# KiCad board corevus-g.kicad_pcb (continued)
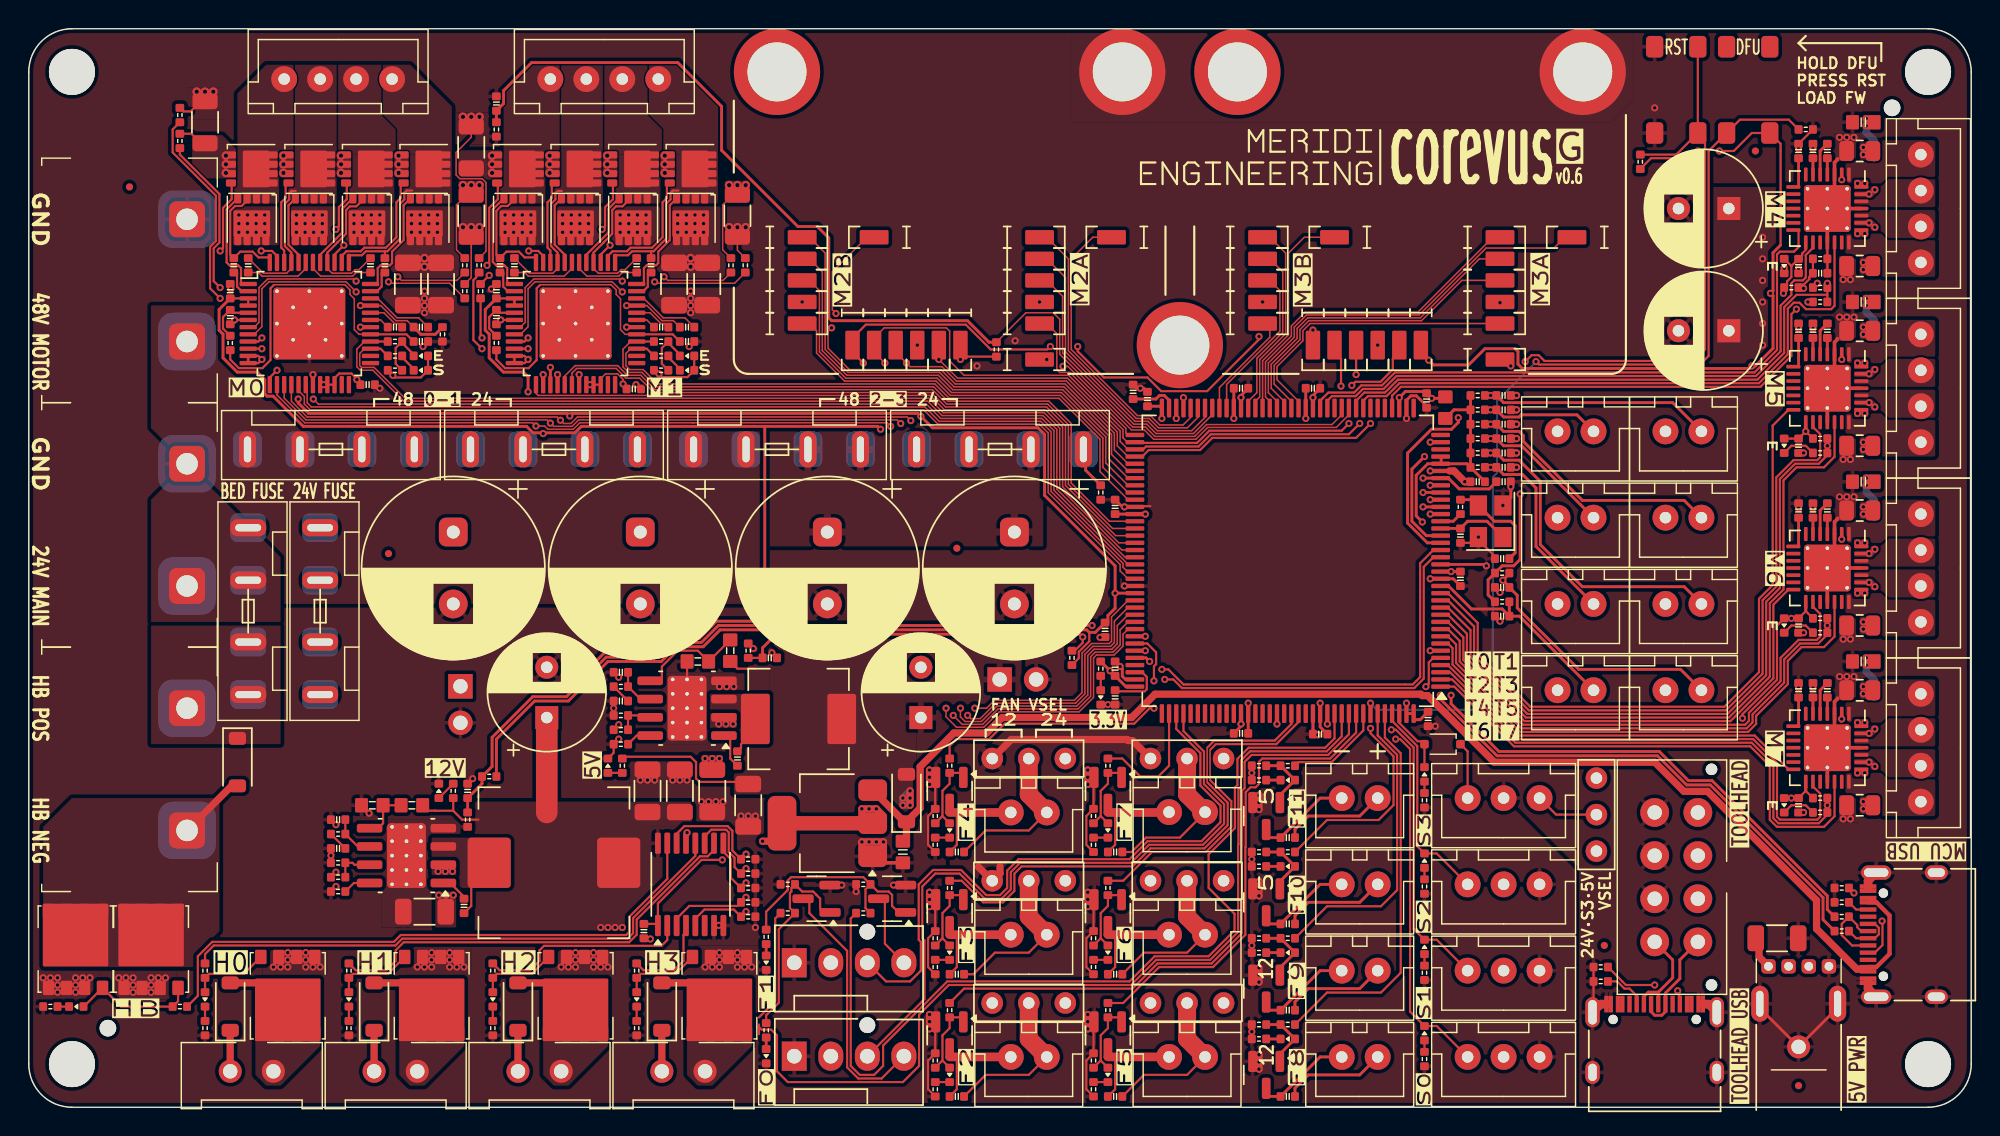
[diagram p0: board, top side]
## Library data of the parts
C1-C11 C15 C38-C86 C88-C99 C102 C105 C107 = -: ki_fp_filters: C_*
C12 C106 C108 C109 = -: ki_fp_filters: CP_*
C13 C14 C16 C17 = -: Field4: C310848; ki_fp_filters: CP_*
C18-C20 C23-C25 C28-C30 C33-C35 = -: LCSC: C1525; ki_fp_filters: C_*
C21 C26 C31 C36 = -: LCSC: C1532; ki_fp_filters: C_*
C22 C27 C32 C37 = -: LCSC: C15849; ki_fp_filters: C_*
C101 = -: LCSC: C19702; ki_fp_filters: C_*
D1-D13 D15-D27 D30-D35 = -: ki_fp_filters: LED* LED_SMD:* LED_THT:*
D14 D28 D29 D36 D38-D40 = -: Sim.Device: D; Sim.Pins: 1=K 2=A; ki_fp_filters: TO-???* *_Diode_* *SingleDiode* D_*
F1-F6 = -: ki_fp_filters: *Fuse*
FB1 = -: ki_fp_filters: Inductor_* L_* *Ferrite*
FID1-FID6 = -: ki_fp_filters: Fiducial*
H1-H4 H9 H10 H13 = -: ki_fp_filters: MountingHole*
H5-H8 = -: ki_fp_filters: MountingHole*Pad*
J1 J13 = -: Datasheet: https://www.usb.org/sites/default/files/documents/usb_type-c.zip; ki_fp_filters: USB*C*Receptacle*
J2 J4-J12 J14-J27 J30-J34 J37-J42 = -: ki_fp_filters: Connector*:*_1x??_*
J3 J35 J36 = -: ki_fp_filters: TerminalBlock*:*
J28 = -: ki_fp_filters: Connector*:*_2x??_*
J29 = -: ki_fp_filters: USB*
J43 J44 = -: Description: Generic connector, single row, 01x02, script generated; ki_fp_filters: Connector*:*_1x??_*
L1 L2 = -: ki_fp_filters: Choke_* *Coil* Inductor_* L_*
M1-M6 = -: Datasheet: http://www.infineon.com/dgdl/Application-Note-TLE8110EE_driving_UniPolarStepperMotor_V1.1.pdf?fileId=db3a30431be39b97011be5d0aa0a00b0; ki_fp_filters: PinHeader*P2.54mm*Vertical* TerminalBlock* Motor*
NT1 NT3-NT6 = -: ki_fp_filters: Net*Tie*
R1-R19 R22-R25 R28 R29 R31-R99 R101 R102 R104 R106-R129 = -: ki_fp_filters: R_*
R20 R21 R26 R27 R30 R100 R103 R105 = -: LCSC: C382279; ki_fp_filters: R_*
T1-T38 = -: ki_fp_filters: Pin* Test*
TH1-TH4 = -: ki_fp_filters: *NTC* *Thermistor* PIN?ARRAY* bornier* *Terminal?Block* R_*
U1 = -: Datasheet: https://www.st.com/resource/en/datasheet/stm32f407ze.pdf; ki_fp_filters: LQFP*20x20mm*P0.5mm*
U2 = -: Datasheet: http://www.ti.com/lit/ds/symlink/cd4504b.pdf; ki_fp_filters: DIP*W7.62mm* SOIC*3.9x9.9mm*P1.27mm* TSSOP*4.4x5mm*P0.65mm*
U3 U4 = -: Datasheet: https://www.ti.com/lit/ds/symlink/tps54335a.pdf; Description: 4.5-V to 28-V Input, 3-A Output, Synchronous Step-Down DC-DC Converter
U5 = -: Datasheet: http://www.advanced-monolithic.com/pdf/ds1117.pdf; ki_fp_filters: SOT?223*TabPin2*
U11 U12 = -: Datasheet: https://www.trinamic.com/fileadmin/assets/Products/ICs_Documents/TMC2160A-datasheet_Rev1.06.pdf; ki_fp_filters: TQFP*1EP?7x7mm*P0.5mm*
Y1 = -: ki_fp_filters: Crystal*

## Footprints (pads in the part's own frame, mm; a bottom-side part is the same pattern mirrored in y, then rotated)
0402C
  rrect 0.55x0.6 smd: 1(-0.5,0) 2(0.5,0)
0402LED
  rrect 0.55x0.6 smd: 1(-0.5,0) 2(0.5,0)
0402R
  rrect 0.55x0.6 smd: 1(-0.5,0) 2(0.5,0)
0603
  rrect 0.9x1 smd: 1(-0.75,0) 2(0.75,0)
0603C
  rrect 0.9x1 smd: 1(-0.75,0) 2(0.75,0)
0603R
  rrect 0.9x1 smd: 1(-0.75,0) 2(0.75,0)
BZCN_TSC015
  rrect 1.5x1.2 smd: 1(-3,1.5) 1(3,1.5) 2(-3,-1.5) 2(3,-1.5)
C_1206_3216Metric
  rrect 1.15x1.8 smd: 1(-1.475,0) 2(1.475,0)
CP_Radial_D8.0mm_P3.50mm
  rect 1.6x1.6 hole 0.8: 1(0,0)
  round 1.6 hole 0.8: 2(3.5,0)
CP_Radial_D12.5mm_P5.00mm
  rrect 2x2 hole 0.9: 1(0,2.5)
  round 2 hole 0.9: 2(0,-2.5)
Crystal_SMD_3225-4Pin_3.2x2.5mm
  rect 1.4x1.2 smd: 1(-1.1,-0.85) 2(1.1,-0.85) 3(1.1,0.85) 4(-1.1,0.85)
D_SOD-123
  rrect 0.9x1.2 smd: 1(-1.65,0) 2(1.65,0)
D_SOD-323
  rrect 0.6x0.6 smd: 1(-1.25,0) 2(1.25,0)
FanPinHeader_1x04_P2.54mm_Vertical
  round 1.1 hole 1.1 unplated: (5.08,2.16)
  rect 1.73x2.03 hole 1.02: 1(0,0)
  oval 1.73x2.03 hole 1.02: 2(2.54,0) 3(5.08,0) 4(7.62,0)
Fiducial_0.5mm_Mask1mm
  round 0.5 smd: (0,0)
HCTL_HC-MX3.0-2A
  round 1.6 hole 1: 1(1.5,0) 2(-1.5,0)
Jing_USB-A_906-761
  rrect 1x1 hole 0.6: 1(-2.1,2.8) 2(-0.7,2.8) 3(0.7,2.8) 4(2.1,2.8)
  oval 1.2x2.5 hole 0.5x1.8: 5(-2.7,0.2) 5(2.7,0.2)
  oval 1.6x1.6 hole 1: 5(-0.01,-2.8)
JST_XH_1x02
  oval 1.8x1.8 hole 0.8: 1(-1.25,0) 2(1.25,0)
JST_XH_1x03
  oval 1.8x1.8 hole 0.8: 1(-2.5,0) 2(0,0) 3(2.5,0)
JST_XH_1x04
  oval 1.8x1.8 hole 0.8: 1(-3.75,0) 2(-1.25,0) 3(1.25,0) 4(3.75,0)
Kefa_KF8500-8.5-2P
  rrect 2.5x2.5 hole 1.5: 1(-4.25,0) 2(4.25,0)
  rrect 4x4 smd far side: 1(-4.25,0) 2(4.25,0)
L_Changjiang_FXL0640
  rrect 2x3.5 smd: 1(-3,0) 2(3,0)
L_Changjiang_FXL1040
  rrect 3x3.5 smd: 1(-4.5,0) 2(4.5,0)
LGA_Spring
  rrect 1x2 smd: 1(0,-0.5)
LQFP-144_20x20mm_P0.5mm
  rrect 1.3x0.3 smd: 1(-10.625,8.75) 2(-10.625,8.25) 3(-10.625,7.75) 4(-10.625,7.25) 5(-10.625,6.75) 6(-10.625,6.25) 7(-10.625,5.75) 8(-10.625,5.25) 9(-10.625,4.75) 10(-10.625,4.25) 11(-10.625,3.75) 12(-10.625,3.25) 13(-10.625,2.75) 14(-10.625,2.25) 15(-10.625,1.75) 16(-10.625,1.25) 17(-10.625,0.75) 18(-10.625,0.25) 19(-10.625,-0.25) 20(-10.625,-0.75) 21(-10.625,-1.25) 22(-10.625,-1.75) 23(-10.625,-2.25) 24(-10.625,-2.75) 25(-10.625,-3.25) 26(-10.625,-3.75) 27(-10.625,-4.25) 28(-10.625,-4.75) 29(-10.625,-5.25) 30(-10.625,-5.75) 31(-10.625,-6.25) 32(-10.625,-6.75) 33(-10.625,-7.25) 34(-10.625,-7.75) 35(-10.625,-8.25) 36(-10.625,-8.75) 73(10.625,-8.75) 74(10.625,-8.25) 75(10.625,-7.75) 76(10.625,-7.25) 77(10.625,-6.75) 78(10.625,-6.25) 79(10.625,-5.75) 80(10.625,-5.25) 81(10.625,-4.75) 82(10.625,-4.25) 83(10.625,-3.75) 84(10.625,-3.25) 85(10.625,-2.75) 86(10.625,-2.25) 87(10.625,-1.75) 88(10.625,-1.25) 89(10.625,-0.75) 90(10.625,-0.25) 91(10.625,0.25) 92(10.625,0.75) 93(10.625,1.25) 94(10.625,1.75) 95(10.625,2.25) 96(10.625,2.75) 97(10.625,3.25) 98(10.625,3.75) 99(10.625,4.25) 100(10.625,4.75) 101(10.625,5.25) 102(10.625,5.75) 103(10.625,6.25) 104(10.625,6.75) 105(10.625,7.25) 106(10.625,7.75) 107(10.625,8.25) 108(10.625,8.75)
  rrect 0.3x1.3 smd: 37(-8.75,-10.625) 38(-8.25,-10.625) 39(-7.75,-10.625) 40(-7.25,-10.625) 41(-6.75,-10.625) 42(-6.25,-10.625) 43(-5.75,-10.625) 44(-5.25,-10.625) 45(-4.75,-10.625) 46(-4.25,-10.625) 47(-3.75,-10.625) 48(-3.25,-10.625) 49(-2.75,-10.625) 50(-2.25,-10.625) 51(-1.75,-10.625) 52(-1.25,-10.625) 53(-0.75,-10.625) 54(-0.25,-10.625) 55(0.25,-10.625) 56(0.75,-10.625) 57(1.25,-10.625) 58(1.75,-10.625) 59(2.25,-10.625) 60(2.75,-10.625) 61(3.25,-10.625) 62(3.75,-10.625) 63(4.25,-10.625) 64(4.75,-10.625) 65(5.25,-10.625) 66(5.75,-10.625) 67(6.25,-10.625) 68(6.75,-10.625) 69(7.25,-10.625) 70(7.75,-10.625) 71(8.25,-10.625) 72(8.75,-10.625) 109(8.75,10.625) 110(8.25,10.625) 111(7.75,10.625) 112(7.25,10.625) 113(6.75,10.625) 114(6.25,10.625) 115(5.75,10.625) 116(5.25,10.625) 117(4.75,10.625) 118(4.25,10.625) 119(3.75,10.625) 120(3.25,10.625) 121(2.75,10.625) 122(2.25,10.625) 123(1.75,10.625) 124(1.25,10.625) 125(0.75,10.625) 126(0.25,10.625) 127(-0.25,10.625) 128(-0.75,10.625) 129(-1.25,10.625) 130(-1.75,10.625) 131(-2.25,10.625) 132(-2.75,10.625) 133(-3.25,10.625) 134(-3.75,10.625) 135(-4.25,10.625) 136(-4.75,10.625) 137(-5.25,10.625) 138(-5.75,10.625) 139(-6.25,10.625) 140(-6.75,10.625) 141(-7.25,10.625) 142(-7.75,10.625) 143(-8.25,10.625) 144(-8.75,10.625)
M3_M2.5_PCB_Nut
  round 4.6 hole 4.1: 1(0,0)
  round 6 smd: 1(0,0)
Molex_Micro-Fit-3.0_430450813
  round 1.2 hole 0.8 unplated: (-7.5,2.45) (7.5,2.45)
  round 2 hole 1: 1(4.5,-1.5) 2(1.5,-1.5) 3(-1.5,-1.5) 4(-4.5,-1.5) 5(4.5,1.5) 6(1.5,1.5) 7(-1.5,1.5) 8(-4.5,1.5)
MOSFET_DFN8
  rrect 0.5x0.7 smd: 1(-0.975,-1.45) 2(-0.325,-1.45) 3(0.325,-1.45) 4(0.975,-1.45) 5(0.975,1.45) 6(0.325,1.45) 7(-0.325,1.45) 8(-0.975,1.45)
  rrect 2.55x1.85 smd: 8(0,0.3)
MOSFET_DFN8_5x6
  rrect 0.8x1 smd: 1(-1.875,-2.7) 2(-0.625,-2.7) 3(0.625,-2.7) 4(1.875,-2.7) 5(1.875,2.65) 6(0.625,2.65) 7(-0.625,2.65) 8(-1.875,2.65)
  rrect 4.55x4.35 smd: 8(0,0.975)
MountingHole_3.2mm_M3_DIN965
  round 3.2 hole 3.2 unplated: (0,0)
NetTie-2_SMD_Pad0.1mm
  round 0.1 smd: 1(-0.1,0) 2(0.1,0)
PinHeader_1x02_P2.54mm_Vertical
  rect 1.7x1.7 hole 1: 1(0,0)
  oval 1.7x1.7 hole 1: 2(0,-2.54)
PinHeader_1x03_P2.54mm_Vertical
  round 1.5 hole 0.8: 1(0,0) 2(0,-2.54) 3(0,-5.08)
R_0805_2012Metric
  rrect 1.025x1.4 smd: 1(-0.912,0) 2(0.912,0)
R_1206_3216Metric
  rrect 1.125x1.75 smd: 1(-1.462,0) 2(1.462,0)
SOIC-8-1EP_3.9x4.9mm_P1.27mm_EP2.95x4.9mm_Mask2.71x3.4mm_ThermalVias
  rrect 1.13x1.42 smd: (-0.68,0.85) (-0.68,-0.85) (0.68,0.85) (0.68,-0.85)
  rrect 2.7x3.4 smd: (0,0)
  rrect 1.775x0.6 smd: 1(-2.563,1.905) 2(-2.562,0.635) 3(-2.562,-0.635) 4(-2.563,-1.905) 5(2.563,-1.905) 6(2.562,-0.635) 7(2.562,0.635) 8(2.563,1.905)
  round 0.5 hole 0.25: 9(-1,2) 9(-1,1) 9(-1,0) 9(-1,-1) 9(-1,-2) 9(0,2) 9(0,1) 9(0,0) 9(0,-1) 9(0,-2) 9(1,2) 9(1,1) 9(1,0) 9(1,-1) 9(1,-2)
  rrect 2.7x4.5 smd: 9(0,0)
SOT-23
  rrect 1.475x0.6 smd: 1(-0.938,0.95) 2(-0.938,-0.95) 3(0.938,0)
SOT-223-3_TabPin2
  rrect 2x1.5 smd: 1(-3.15,2.3) 2(-3.15,0) 3(-3.15,-2.3)
  rrect 2x3.8 smd: 2(3.15,0)
TMC220x
  rrect 1.41x1.41 smd: (-0.81,0.81) (-0.81,-0.81) (0.81,0.81) (0.81,-0.81)
  rrect 0.975x0.25 smd: 1(-2.362,1.5) 2(-2.362,1) 3(-2.362,0.5) 4(-2.362,0) 5(-2.362,-0.5) 6(-2.362,-1) 7(-2.362,-1.5) 15(2.362,-1.5) 16(2.362,-1) 17(2.362,-0.5) 18(2.362,0) 19(2.362,0.5) 20(2.362,1) 21(2.362,1.5)
  rrect 0.25x0.975 smd: 8(-1.5,-2.362) 9(-1,-2.362) 10(-0.5,-2.362) 11(0,-2.362) 12(0.5,-2.362) 13(1,-2.362) 14(1.5,-2.362) 22(1.5,2.362) 23(1,2.362) 24(0.5,2.362) 25(0,2.362) 26(-0.5,2.362) 27(-1,2.362) 28(-1.5,2.362)
  round 0.5 hole 0.25: 29(-1.375,1.375) 29(-1.375,0) 29(-1.375,-1.375) 29(0,1.375) 29(0,0) 29(0,-1.375) 29(1.375,1.375) 29(1.375,0) 29(1.375,-1.375)
  rrect 3.25x3.25 smd: 29(0,0)
TMCx160
  custom 1.008x1.008 smd: (-1.688,1.688) (-1.688,0.562) (-1.688,-0.562) (-1.688,-1.688) (-0.562,1.688) (-0.562,0.562) (-0.562,-0.562) (-0.562,-1.688) (0.562,1.688) (0.562,0.562) (0.562,-0.562) (0.562,-1.688) (1.688,1.688) (1.688,0.562) (1.688,-0.562) (1.688,-1.688)
  rrect 1.2x0.3 smd: 1(-4.25,2.75) 2(-4.25,2.25) 3(-4.25,1.75) 4(-4.25,1.25) 5(-4.25,0.75) 6(-4.25,0.25) 7(-4.25,-0.25) 8(-4.25,-0.75) 9(-4.25,-1.25) 10(-4.25,-1.75) 11(-4.25,-2.25) 12(-4.25,-2.75) 25(4.25,-2.75) 26(4.25,-2.25) 27(4.25,-1.75) 28(4.25,-1.25) 29(4.25,-0.75) 30(4.25,-0.25) 31(4.25,0.25) 32(4.25,0.75) 33(4.25,1.25) 34(4.25,1.75) 35(4.25,2.25) 36(4.25,2.75)
  rrect 0.3x1.2 smd: 13(-2.75,-4.25) 14(-2.25,-4.25) 15(-1.75,-4.25) 16(-1.25,-4.25) 17(-0.75,-4.25) 18(-0.25,-4.25) 19(0.25,-4.25) 20(0.75,-4.25) 21(1.25,-4.25) 22(1.75,-4.25) 23(2.25,-4.25) 24(2.75,-4.25) 37(2.75,4.25) 38(2.25,4.25) 39(1.75,4.25) 40(1.25,4.25) 41(0.75,4.25) 42(0.25,4.25) 43(-0.25,4.25) 44(-0.75,4.25) 45(-1.25,4.25) 46(-1.75,4.25) 47(-2.25,4.25) 48(-2.75,4.25)
  round 0.5 hole 0.25: 49(-2.25,2.25) 49(-2.25,0) 49(-2.25,-2.25) 49(-1.125,1.125) 49(-1.125,-1.125) 49(0,2.25) 49(0,0) 49(0,-2.25) 49(1.125,1.125) 49(1.125,-1.125) 49(2.25,2.25) 49(2.25,0) 49(2.25,-2.25)
  rrect 5x5 smd: 49(0,0)
ToolingHole
  round 1.3 hole 1.152 unplated: (0,0)
TSSOP-16_4.4x5mm_P0.65mm
  rrect 1.475x0.4 smd: 1(-2.862,2.275) 2(-2.862,1.625) 3(-2.862,0.975) 4(-2.862,0.325) 5(-2.862,-0.325) 6(-2.862,-0.975) 7(-2.862,-1.625) 8(-2.862,-2.275) 9(2.862,-2.275) 10(2.862,-1.625) 11(2.862,-0.975) 12(2.862,-0.325) 13(2.862,0.325) 14(2.862,0.975) 15(2.862,1.625) 16(2.862,2.275)
USB_Type-C_16p
  round 0.65 hole 0.65 unplated: (-2.89,2.605) (2.89,2.605)
  rect 0.3x1.15 smd: A1(-3.35,3.67) A4(-2.55,3.67) A5(-1.25,3.67) A6(-0.25,3.67) A7(0.25,3.67) A8(1.25,3.67) A9(2.55,3.67) A12(3.35,3.67) B1(3.05,3.67) B4(2.25,3.67) B5(1.75,3.67) B6(0.75,3.67) B7(-0.75,3.67) B8(-1.75,3.67) B9(-2.25,3.67) B12(-3.05,3.67)
  oval 1x2.1 hole 0.6x1.7: S1(-4.32,3.105) S1(4.32,3.105)
  oval 1x1.6 hole 0.6x1.2: S1(-4.32,-1.075) S1(4.32,-1.075)
XF-506P
  rrect 1.2x2.5 hole 0.5x1.8: 1(-5.8,0) 1(-2.15,0) 2(2.15,0) 2(5.8,0)
  rrect 2x2.5 smd far side: 1(-5.8,0) 1(-2.15,0) 2(2.15,0) 2(5.8,0)

## Nets
+3.3V: C5.2 C15.1 C18.1 C23.1 C28.1 C33.1 C41.2 C44.1 C46.1 C53.1 C56.2 C59.1 C61.1 C79.1 C81.1 C82.1 C83.1 C84.1 C102.1 D4.2 D13.2 D19.2 D20.2 D21.2 D22.2 D23.2 D24.2 FB1.1 R19.1 R23.1 R28.1 R87.2 R88.2 R89.2 R97.1 R101.1 R106.1 R107.1 R108.2 R114.2 SW1.2 T6.1 T22.1 U1.6 U1.17 U1.30 U1.39 U1.52 U1.62 U1.72 U1.84 U1.95 U1.101 U1.108 U1.121 U1.131 U1.143 U1.144 U2.1 U5.2 U6.15 U7.15 U8.15 U9.15 U11.20 U11.21 U11.22 U12.20 U12.21 U12.22
+5V: C86.1 C92.2 C93.2 C105.1 C106.1 D29.2 J21.2 J22.2 J24.3 J25.3 J26.3 J29.1 J38.3 J44.1 L2.2 R83.2 R84.2 R85.2 R86.2 R90.2 R129.2
+12V: C45.2 C60.2 C90.2 C91.2 C95.1 C107.1 C108.1 J6.2 J14.2 J16.2 J17.2 J18.1 J19.1 J20.1 J28.6 J31.1 J41.1 J42.1 J43.1 L1.2 R92.2 R128.2 T1.1 T17.1 U2.16 U11.3 U11.4 U12.3 U12.4
+24V: C12.1 C20.2 C22.2 C25.2 C27.2 C30.2 C32.2 C35.2 C37.2 C94.1 C96.1 C109.1 D36.1 D38.1 D39.1 D40.1 F6.2 J18.3 J19.3 J20.3 J28.7 J28.8 J30.2 J31.3 J32.2 J33.2 J34.2 J38.1 J41.3 J42.3 R94.1 R110.1 U3.2 U4.2 U6.22 U6.28 U7.22 U7.28 U8.22 U8.28 U9.22 U9.28
GND: C1.1 C2.1 C3.1 C4.2 C5.1 C12.2 C13.2 C14.2 C15.2 C16.2 C17.2 C18.2 C19.1 C22.1 C23.2 C24.1 C27.1 C28.2 C29.1 C32.1 C33.2 C34.1 C37.1 C41.1 C42.1 C43.1 C44.2 C45.1 C46.2 C51.2 C52.2 C53.2 C56.1 C57.1 C58.1 C59.2 C60.1 C61.2 C66.2 C67.2 C68.1 C69.1 C70.1 C71.1 C79.2 C81.2 C82.2 C83.2 C84.2 C86.2 C88.2 C94.2 C95.2 C96.2 C97.2 C98.2 C99.2 C101.2 C102.2 C105.2 C106.2 C107.2 C108.2 C109.2 D6.1 D8.1 D17.1 D30.1 D32.1 H6.1 H8.1 J1.A1 J1.A12 J1.B1 J1.B12 J1.S1 J3.1 J6.1 J13.A1 J13.A12 J13.B1 J13.B12 J13.S1 J14.1 J24.2 J25.2 J26.2 J27.2 J28.2 J28.3 J28.4 J29.4 J29.5 J35.1 J43.2 J44.2 NT1.1 NT3.2 NT4.1 NT5.2 NT6.1 Q1.2 Q2.2 Q19.2 Q20.2 Q21.2 Q22.2 Q23.2 Q24.2 Q25.1 Q25.2 Q25.3 Q26.1 Q26.2 Q26.3 Q27.2 Q28.2 Q29.2 Q30.2 Q31.1 Q31.2 Q31.3 Q33.1 Q33.2 Q33.3 Q34.1 Q34.2 Q34.3 Q35.1 Q35.2 Q35.3 R1.2 R6.1 R7.1 R8.2 R9.2 R10.2 R11.2 R13.2 R14.2 R20.2 R21.2 R25.2 R26.2 R27.2 R30.2 R35.2 R36.2 R43.2 R44.2 R49.2 R50.2 R52.2 R53.2 R54.2 R55.2 R57.2 R64.2 R65.2 R66.2 R67.2 R70.1 R71.2 R72.2 R73.2 R77.2 R78.2 R79.2 R80.2 R81.2 R82.2 R91.1 R93.1 R95.2 R96.2 R100.2 R103.2 R105.2 R109.2 R111.2 R113.2 R115.2 R116.2 R117.2 R121.2 R125.2 R126.2 R127.2 SW3.1 T3.1 T9.1 T15.1 T19.1 T25.1 T31.1 TH1.2 TH2.2 TH3.2 TH4.2 U1.16 U1.38 U1.51 U1.61 U1.83 U1.94 U1.107 U1.120 U1.130 U2.7 U2.8 U2.13 U3.4 U3.9 U4.4 U4.9 U5.1 U6.3 U6.18 U6.25 U6.29 U7.3 U7.18 U7.25 U7.29 U8.3 U8.18 U8.25 U8.29 U9.3 U9.18 U9.25 U9.29 U11.6 U11.11 U11.12 U11.19 U11.30 U11.49 U12.6 U12.11 U12.12 U12.19 U12.30 U12.49 Y1.2 Y1.4
VDDA: C85.1 FB1.2 R2.2 R12.2 R15.2 R16.2 R17.2 R18.2 R51.2 R56.2 U1.32 U1.33
VSSA: C6.1 C7.1 C8.1 C9.1 C72.1 C73.1 C77.1 C78.1 C85.2 J7.1 J8.1 J9.1 J10.1 J11.1 J12.1 J23.1 J39.1 NT1.2 U1.31
/_{5V}Therm: C71.2 R114.1 TH4.1 U1.19
/_{12V}Therm: C68.2 R87.1 TH1.1 U1.20
/_{M0}CS: U1.91 U12.13
/_{M0}Diag1: R119.2 U1.89 U12.27
/_{M0}Dir: U1.92 U12.18
/_{M0}En: R99.2 U1.90 U12.28
/_{M0}Step: U1.93 U12.17
/_{M1}CS: U1.88 U11.13
/_{M1}Diag1: R118.2 U1.82 U11.27
/_{M1}Dir: U1.87 U11.18
/_{M1}En: R98.2 U1.85 U11.28
/_{M1}Step: U1.86 U11.17
/_{M1}Therm: C69.2 R88.1 TH2.1 U1.47
/_{M2A}CS: T12.1 U1.67
/_{M2A}Diag: T13.1 U1.68
/_{M2A}Dir: T10.1 U1.65
/_{M2A}En: T11.1 U1.66
/_{M2A}Step: T8.1 U1.73
/_{M2B}CS: T34.1 U1.78
/_{M2B}Diag: T35.1 U1.77
/_{M2B}Dir: T16.1 U1.80
/_{M2B}En: T33.1 U1.79
/_{M2B}Step: T14.1 U1.81
/_{M2}Therm: T7.1 U1.46
/_{M3A}CS: T28.1 U1.57
/_{M3A}Diag: T29.1 U1.56
/_{M3A}Dir: T26.1 U1.54
/_{M3A}En: T27.1 U1.55
/_{M3A}Step: T24.1 U1.53
/_{M3B}CS: T37.1 U1.59
/_{M3B}Diag: T38.1 U1.58
/_{M3B}Dir: T32.1 U1.63
/_{M3B}En: T36.1 U1.60
/_{M3B}Step: T30.1 U1.64
/_{M3}Therm: T23.1 U1.21
/_{M4}Dir: U1.44 U6.19
/_{M4}En: R22.2 R97.2 U1.45 U6.2
/_{M4}Step: U1.49 U6.16
/_{M4}Therm: C70.2 R89.1 TH3.1 U1.40
/_{M4}UART: U1.50 U6.14
/_{M5}Dir: U1.11 U7.19
/_{M5}En: R23.2 R24.2 U1.12 U7.2
/_{M5}Step: U1.13 U7.16
/_{M5}UART: U1.14 U7.14
/_{M6}Dir: U1.7 U8.19
/_{M6}En: R28.2 R29.2 U1.8 U8.2
/_{M6}Step: U1.9 U8.16
/_{M6}UART: U1.10 U8.14
/_{M7}Dir: U1.1 U9.19
/_{M7}En: R101.2 R102.2 U1.2 U9.2
/_{M7}Step: U1.3 U9.16
/_{M7}UART: U1.4 U9.14
/Bed_H+: D14.1 F3.2 J36.1
/Bed_H-: D14.2 J36.2 Q25.5 Q25.6 Q25.7 Q25.8 Q26.5 Q26.6 Q26.7 Q26.8
/BOOT0: R1.1 SW1.1 U1.138
/DFU_ON: U1.114
/F0: R48.1 U1.134
/F0_FG: J6.3 U1.112
/F1: R60.1 U1.133
/F1_FG: J14.3 U1.111
/F2_Gate: R31.1 U1.135
/F2_V+: C10.2 J2.2 J18.2
/F3_Gate: R39.1 U1.127
/F3_V+: C11.2 J4.2 J20.2
/F4_Gate: R59.1 U1.102
/F4_V+: C74.2 J19.2 J37.2
/F5_Gate: R47.1 U1.136
/F5_V+: C76.2 J5.2 J31.2
/F6_Gate: R61.1 U1.128
/F6_V+: C89.2 J15.2 J41.2
/F7_Gate: R76.1 U1.110
/F7_V+: C75.2 J40.2 J42.2
/F8_Gate: R62.1 U1.140
/F9_Gate: R63.1 U1.139
/F10_Gate: R74.1 U1.5
/F11_Gate: R75.1 U1.137
/H0: R14.1 U1.97 U2.11
/H0_Gate: R122.1 U2.12
/H1: R13.1 U1.98 U2.9
/H1_Gate: R120.1 U2.10
/H2: R10.1 U1.99 U2.3
/H2_Gate: R123.1 U2.2
/H3: R11.1 U1.100 U2.5
/H3_Gate: R124.1 U2.4
/HB: R25.1 U1.96 U2.14
/HB_Gate: R68.1 U2.15
/Motor 0 (TMC2160)/A1: C64.2 M6.2 Q13.1 Q13.2 Q13.3 Q17.5 Q17.6 Q17.7 Q17.8 U12.40
/Motor 0 (TMC2160)/A2: C65.2 M6.1 Q14.1 Q14.2 Q14.3 Q18.5 Q18.6 Q18.7 Q18.8 U12.37
/Motor 0 (TMC2160)/B1: C62.2 M6.4 Q11.1 Q11.2 Q11.3 Q15.5 Q15.6 Q15.7 Q15.8 U12.48
/Motor 0 (TMC2160)/B2: C63.2 M6.3 Q12.1 Q12.2 Q12.3 Q16.5 Q16.6 Q16.7 Q16.8 U12.45
/Motor 0 (TMC2160)/CFG4: U12.23
/Motor 0 (TMC2160)/CFG5: U12.24
/Motor 0 (TMC2160)/CFG6: U12.25
/Motor 0 (TMC2160)/Diag0: U12.26
/Motor 0 (TMC2160)/HA1: Q13.4 U12.41
/Motor 0 (TMC2160)/HA2: Q14.4 U12.36
/Motor 0 (TMC2160)/HB1: Q11.4 U12.1
/Motor 0 (TMC2160)/HB2: Q12.4 U12.44
/Motor 0 (TMC2160)/LA1: Q17.4 U12.39
/Motor 0 (TMC2160)/LA2: Q18.4 U12.38
/Motor 0 (TMC2160)/LB1: Q15.4 U12.47
/Motor 0 (TMC2160)/LB2: Q16.4 U12.46
/Motor 0 (TMC2160)/SRAH: R42.2 U12.8
/Motor 0 (TMC2160)/SRAL: R46.2 U12.7
/Motor 0 (TMC2160)/SRBH: R41.2 U12.9
/Motor 0 (TMC2160)/SRBL: R45.2 U12.10
/Motor 1 (TMC2160)/A1: C49.2 M5.2 Q5.1 Q5.2 Q5.3 Q9.5 Q9.6 Q9.7 Q9.8 U11.40
/Motor 1 (TMC2160)/A2: C50.2 M5.1 Q6.1 Q6.2 Q6.3 Q10.5 Q10.6 Q10.7 Q10.8 U11.37
/Motor 1 (TMC2160)/B1: C47.2 M5.4 Q3.1 Q3.2 Q3.3 Q7.5 Q7.6 Q7.7 Q7.8 U11.48
/Motor 1 (TMC2160)/B2: C48.2 M5.3 Q4.1 Q4.2 Q4.3 Q8.5 Q8.6 Q8.7 Q8.8 U11.45
/Motor 1 (TMC2160)/CFG4: U11.23
/Motor 1 (TMC2160)/CFG5: U11.24
/Motor 1 (TMC2160)/CFG6: U11.25
/Motor 1 (TMC2160)/Diag0: U11.26
/Motor 1 (TMC2160)/HA1: Q5.4 U11.41
/Motor 1 (TMC2160)/HA2: Q6.4 U11.36
/Motor 1 (TMC2160)/HB1: Q3.4 U11.1
/Motor 1 (TMC2160)/HB2: Q4.4 U11.44
/Motor 1 (TMC2160)/LA1: Q9.4 U11.39
/Motor 1 (TMC2160)/LA2: Q10.4 U11.38
/Motor 1 (TMC2160)/LB1: Q7.4 U11.47
/Motor 1 (TMC2160)/LB2: Q8.4 U11.46
/Motor 1 (TMC2160)/SRAH: R34.2 U11.8
/Motor 1 (TMC2160)/SRAL: R38.2 U11.7
/Motor 1 (TMC2160)/SRBH: R33.2 U11.9
/Motor 1 (TMC2160)/SRBL: R37.2 U11.10
/Motor 4 (TMC2209)/A1: M1.2 U6.24
/Motor 4 (TMC2209)/A2: M1.1 U6.21
/Motor 4 (TMC2209)/B1: M1.3 U6.26
/Motor 4 (TMC2209)/B2: M1.4 U6.1
/Motor 4 (TMC2209)/BRA: R20.1 U6.23
/Motor 4 (TMC2209)/BRB: R21.1 U6.27
/Motor 4 (TMC2209)/Clk: U6.13
/Motor 4 (TMC2209)/Diag: U6.11
/Motor 4 (TMC2209)/Index: U6.12
/Motor 4 (TMC2209)/MS1: U6.9
/Motor 4 (TMC2209)/MS2: U6.10
/Motor 4 (TMC2209)/VRef: U6.17
/Motor 5 (TMC2209)/A1: M2.2 U7.24
/Motor 5 (TMC2209)/A2: M2.1 U7.21
/Motor 5 (TMC2209)/B1: M2.3 U7.26
/Motor 5 (TMC2209)/B2: M2.4 U7.1
/Motor 5 (TMC2209)/BRA: R26.1 U7.23
/Motor 5 (TMC2209)/BRB: R27.1 U7.27
/Motor 5 (TMC2209)/Clk: U7.13
/Motor 5 (TMC2209)/Diag: U7.11
/Motor 5 (TMC2209)/Index: U7.12
/Motor 5 (TMC2209)/MS1: U7.9
/Motor 5 (TMC2209)/MS2: U7.10
/Motor 5 (TMC2209)/VRef: U7.17
/Motor 6 (TMC2209)/A1: M3.2 U8.24
/Motor 6 (TMC2209)/A2: M3.1 U8.21
/Motor 6 (TMC2209)/B1: M3.3 U8.26
/Motor 6 (TMC2209)/B2: M3.4 U8.1
/Motor 6 (TMC2209)/BRA: R30.1 U8.23
/Motor 6 (TMC2209)/BRB: R100.1 U8.27
/Motor 6 (TMC2209)/Clk: U8.13
/Motor 6 (TMC2209)/Diag: U8.11
/Motor 6 (TMC2209)/Index: U8.12
/Motor 6 (TMC2209)/MS1: U8.9
/Motor 6 (TMC2209)/MS2: U8.10
/Motor 6 (TMC2209)/VRef: U8.17
/Motor 7 (TMC2209)/A1: M4.2 U9.24
/Motor 7 (TMC2209)/A2: M4.1 U9.21
/Motor 7 (TMC2209)/B1: M4.3 U9.26
/Motor 7 (TMC2209)/B2: M4.4 U9.1
/Motor 7 (TMC2209)/BRA: R103.1 U9.23
/Motor 7 (TMC2209)/BRB: R105.1 U9.27
/Motor 7 (TMC2209)/Clk: U9.13
/Motor 7 (TMC2209)/Diag: U9.11
/Motor 7 (TMC2209)/Index: U9.12
/Motor 7 (TMC2209)/MS1: U9.9
/Motor 7 (TMC2209)/MS2: U9.10
/Motor 7 (TMC2209)/VRef: U9.17
/S0: D18.1 J24.1 U1.125
/S1: D25.1 J25.1 U1.132
/S2: D26.1 J26.1 U1.141
/S3: D27.1 D28.2 U1.142
/SPI1_MISO: U1.42
/SPI1_MOSI: U1.43
/SPI1_SCK: U1.41
/SPI2_MISO: T5.1 T21.1 U1.75 U11.16 U12.16
/SPI2_MOSI: T4.1 T20.1 U1.76 U11.15 U12.15
/SPI2_SCK: T2.1 T18.1 U1.74 U11.14 U12.14
/SWCLK: U1.109
/SWDIO: U1.105
/T0: C77.2 J11.2 R51.1 U1.22
/T1: C9.2 J10.2 R18.1 U1.35
/T2: C8.2 J9.2 R17.1 U1.28
/T3: C78.2 J12.2 R56.1 U1.29
/T4: C6.2 J8.2 R15.1 U1.26
/T5: C7.2 J7.2 R16.1 U1.27
/T6: C72.2 J23.2 R2.1 U1.15
/T7: C73.2 J39.2 R12.1 U1.18
/TH_USB_D+: J13.A6 J13.B6 J28.5
/TH_USB_D-: J13.A7 J13.B7 J28.1
/USART2_RX: U1.37
/USART2_TX: U1.36
/USB_D+: R5.1 U1.104
/USB_D-: R4.1 U1.103
/USB_VBUS: C101.1 D29.1 J1.A4 J1.A9 J1.B4 J1.B9 U5.3
/~{Reset}: R19.2 SW3.2 U1.25
VMB: C13.1 C14.1 C39.2 C51.1 C52.1 C54.2 C66.1 C67.1 F4.2 F5.2 Q3.5 Q3.6 Q3.7 Q3.8 Q4.5 Q4.6 Q4.7 Q4.8 Q5.5 Q5.6 Q5.7 Q5.8 Q6.5 Q6.6 Q6.7 Q6.8 Q11.5 Q11.6 Q11.7 Q11.8 Q12.5 Q12.6 Q12.7 Q12.8 Q13.5 Q13.6 Q13.7 Q13.8 Q14.5 Q14.6 Q14.7 Q14.8 R9.1 U11.33 U12.33
VMC: C16.1 C17.1 F1.2 F2.2 H5.1 H7.1 R8.1
Net-(C2-Pad2): C2.2 R3.1 Y1.3
Net-(C97-Pad1): C97.1 R104.2
Net-(C99-Pad1): C99.1 R112.2
Net-(D1-A): D1.2 Q27.1 R59.2 R79.1
Net-(D1-K): D1.1 R126.1
Net-(D2-A): D2.2 Q1.1 R31.2 R49.1
Net-(D2-K): D2.1 R54.1
Net-(D3-A): D3.2 Q2.1 R39.2 R50.1
Net-(D3-K): D3.1 R55.1
Net-(D4-K): D4.1 R118.1
Net-(D5-A): D5.2 Q19.1 R47.2 R52.1
Net-(D5-K): D5.1 R57.1
Net-(D6-A): D6.2 R58.1
Net-(D7-A): D7.2 Q30.1 R76.2 R82.1
Net-(D7-K): D7.1 R127.1
Net-(D8-A): D8.2 R69.2
Net-(D9-A): D9.2 Q22.1 R61.2 R65.1
Net-(D9-K): D9.1 R71.1
Net-(D10-A): D10.2 Q23.1 R62.2 R66.1
Net-(D10-K): D10.1 R72.1
Net-(D11-A): D11.2 Q24.1 R63.2 R67.1
Net-(D11-K): D11.1 R73.1
Net-(D12-A): D12.2 Q25.4 Q26.4 R68.2
Net-(D12-K): D12.1 R70.2
Net-(D13-K): D13.1 R119.1
Net-(D15-A): D15.2 Q28.1 R74.2 R77.1
Net-(D15-K): D15.1 R80.1
Net-(D16-A): D16.2 Q29.1 R75.2 R78.1
Net-(D16-K): D16.1 R81.1
Net-(D17-A): D17.2 R128.1
Net-(D18-A): D18.2 R84.1
Net-(D19-K): D19.1 R98.1 R106.2
Net-(D20-K): D20.1 R99.1 R107.2
Net-(D21-K): D21.1 R22.1
Net-(D22-K): D22.1 R24.1
Net-(D23-K): D23.1 R29.1
Net-(D24-K): D24.1 R102.1
Net-(D25-A): D25.2 R85.1
Net-(D26-A): D26.2 R86.1
Net-(D27-A): D27.2 R83.1
Net-(D28-K): D28.1 J27.1
Net-(D30-A): D30.2 R108.1
Net-(D31-A): D31.2 Q31.4 R120.2
Net-(D31-K): D31.1 R113.1
Net-(D32-A): D32.2 R129.1
Net-(D33-A): D33.2 Q33.4 R122.2
Net-(D33-K): D33.1 R115.1
Net-(D34-A): D34.2 Q34.4 R123.2
Net-(D34-K): D34.1 R116.1
Net-(D35-A): D35.2 Q35.4 R124.2
Net-(D35-K): D35.1 R117.1
Net-(D36-A): D36.2 J30.1 Q31.5 Q31.6 Q31.7 Q31.8
Net-(D38-A): D38.2 J32.1 Q33.5 Q33.6 Q33.7 Q33.8
Net-(D39-A): D39.2 J33.1 Q34.5 Q34.6 Q34.7 Q34.8
Net-(D40-A): D40.2 J34.1 Q35.5 Q35.6 Q35.7 Q35.8
Net-(J1-CC1): J1.A5 R6.2
Net-(J1-CC2): J1.B5 R7.2
Net-(J1-D+-PadA6): J1.A6 J1.B6 R5.2
Net-(J1-D--PadA7): J1.A7 J1.B7 R4.2
Net-(J2-Pin_1): C10.1 J2.1 Q1.3
Net-(J3-Pin_2): F1.1 F4.1 J3.2
Net-(J4-Pin_1): C11.1 J4.1 Q2.3
Net-(J5-Pin_1): C76.1 J5.1 Q19.3
Net-(J6-Pin_4): J6.4 Q20.3
Net-(J13-CC1): J13.A5 R121.1
Net-(J13-CC2): J13.B5 R125.1
Net-(J14-Pin_4): J14.4 Q21.3
Net-(J15-Pin_1): C89.1 J15.1 Q22.3
Net-(J16-Pin_1): C90.1 J16.1 Q23.3
Net-(J17-Pin_1): C91.1 J17.1 Q24.3
Net-(J21-Pin_1): C92.1 J21.1 Q28.3
Net-(J22-Pin_1): C93.1 J22.1 Q29.3
Net-(J27-Pin_3): J27.3 J38.2
Net-(J35-Pin_2): F2.1 F3.1 F5.1 F6.1 J35.2
Net-(J37-Pin_1): C74.1 J37.1 Q27.3
Net-(J40-Pin_1): C75.1 J40.1 Q30.3
Net-(NT3-Pad1): NT3.1 R37.1
Net-(NT4-Pad2): NT4.2 R38.1
Net-(NT5-Pad1): NT5.1 R45.1
Net-(NT6-Pad2): NT6.2 R46.1
Net-(Q7-S-Pad1): Q7.1 Q7.2 Q7.3 Q8.1 Q8.2 Q8.3 R33.1 R35.1
Net-(Q10-S-Pad1): Q9.1 Q9.2 Q9.3 Q10.1 Q10.2 Q10.3 R34.1 R36.1
Net-(Q15-S-Pad1): Q15.1 Q15.2 Q15.3 Q16.1 Q16.2 Q16.3 R41.1 R43.1
Net-(Q17-S-Pad1): Q17.1 Q17.2 Q17.3 Q18.1 Q18.2 Q18.3 R42.1 R44.1
Net-(Q20-G): Q20.1 R48.2 R53.1 R58.2
Net-(Q21-G): Q21.1 R60.2 R64.1 R69.1
Net-(U1-PH0): C1.2 U1.23 Y1.1
Net-(U1-PH1): R3.2 U1.24
Net-(U1-VCAP_1): C4.1 U1.71
Net-(U1-VCAP_2): C3.2 U1.106
Net-(U3-BOOT): C38.1 U3.1
Net-(U3-COMP): C88.1 R104.1 U3.6
Net-(U3-EN): R94.2 R95.1 U3.7
Net-(U3-PH): C38.2 L1.1 U3.3
Net-(U3-RT): R96.1 U3.8
Net-(U3-VSENSE): R92.1 R93.2 U3.5
Net-(U4-BOOT): C80.1 U4.1
Net-(U4-COMP): C98.1 R112.1 U4.6
Net-(U4-EN): R109.1 R110.2 U4.7
Net-(U4-PH): C80.2 L2.1 U4.3
Net-(U4-RT): R111.1 U4.8
Net-(U4-VSENSE): R90.1 R91.2 U4.5
Net-(U6-5VOUT): C19.2 U6.8
Net-(U6-CPI): C21.2 U6.5
Net-(U6-CPO): C21.1 U6.4
Net-(U6-VCP): C20.1 U6.6
Net-(U7-5VOUT): C24.2 U7.8
Net-(U7-CPI): C26.2 U7.5
Net-(U7-CPO): C26.1 U7.4
Net-(U7-VCP): C25.1 U7.6
Net-(U8-5VOUT): C29.2 U8.8
Net-(U8-CPI): C31.2 U8.5
Net-(U8-CPO): C31.1 U8.4
Net-(U8-VCP): C30.1 U8.6
Net-(U9-5VOUT): C34.2 U9.8
Net-(U9-CPI): C36.2 U9.5
Net-(U9-CPO): C36.1 U9.4
Net-(U9-VCP): C35.1 U9.6
Net-(U11-5VOUT): C42.2 R32.1 U11.5
Net-(U11-CA1): C49.1 U11.42
Net-(U11-CA2): C50.1 U11.35
Net-(U11-CB1): C47.1 U11.2
Net-(U11-CB2): C48.1 U11.43
Net-(U11-CPI): C40.2 U11.32
Net-(U11-CPO): C40.1 U11.31
Net-(U11-VCC): C43.2 R32.2 U11.29
Net-(U11-VCP): C39.1 U11.34
Net-(U12-5VOUT): C57.2 R40.1 U12.5
Net-(U12-CA1): C64.1 U12.42
Net-(U12-CA2): C65.1 U12.35
Net-(U12-CB1): C62.1 U12.2
Net-(U12-CB2): C63.1 U12.43
Net-(U12-CPI): C55.2 U12.32
Net-(U12-CPO): C55.1 U12.31
Net-(U12-VCC): C58.2 R40.2 U12.29
Net-(U12-VCP): C54.1 U12.34

Pads without a net: H13 1; J1 A8 B8; J13 A4 A8 A9 B4 B8 B9; J29 2 3; U1 34 48 69 70 113 115 116 117 118 119 122 123 124 126 129; U2 6; U6 7 20; U7 7 20; U8 7 20; U9 7 20

## Via types
v1: diameter 0.5, hole 0.25, Top to Bottom, 568 vias
v2: diameter 0.6, hole 0.3, Top to Bottom, 46 vias

## Routing (per net, layer and track width the routed paths; a pad name or vN(x,y) marks a point on that pad's centre or on a via; arc(x,y) is an arc through that point)
+3.3V: length 329.4
  Top w0.1: U11.22 39.75,50.67 40.08,51 40.92,51 41.3,50.62 v1(41.3,50.3) 41.3,50.2 C41.2 ; U1.101 v1(77.6,32.75)
  Top w0.15: R97.1 v1(123.65,56) ; v1(48.2,17.2) 46.75,17.2 43.73,14.17 U2.1 ; U11.22 U11.21 v1(39,50.25) U11.20 ; R28.1 123.5,34.5 C28.1 v1(122.5,34) D23.2 121.5,33.5 121.5,29.73 119.1,27.33 v1(119.1,27.05) ; 122.5,58.5 122.5,57.73 122.2,57.43 122.2,57.2 R89.2 122,56.65 v1(121.95,56.6) ; 122.5,58.5 D21.2 ; 122.5,58.5 C18.1 123.25,59.25 123.25,59.37 123.5,59.62 U6.15 ; C5.2 43.75,12.75 ; R114.2 72.97,31.23 72.97,31.67 73.7,32.4 73.7,33.02 ; D24.2 v1(122.5,21.5) C33.1 123.5,22 R101.1 ; v1(64.75,52) 64.95,52.2 R88.2 ; U12.20 v1(20.5,50.25) U12.21 U12.22 21.25,50.7 21.57,51.02 22.43,51.02 22.8,50.65 v1(22.8,50.6) ; v1(116,66.5) 115.5,66 112.75,66 R19.1 ; R106.1 43.7,51 v1(43.8,51) 44.02,50.77 45.77,50.77 D4.2 D19.2 ; D22.2 C23.1 v1(123.5,47) R23.1 ; R107.1 v1(25.3,50.9) 25.45,50.75 27.25,50.75 D13.2 D20.2 ; v1(117.5,66.5) 118.5,66.5 119.75,67.75 SW1.2 121.75,67 121.75,59.95 ; v1(97.4,31.75) U1.6
  Top w0.2: 121.75,59.95 121.22,59.42 121.22,56.77 v1(121.05,56.6) 121.22,56.42 121.22,52.78 120,51.55 v1(119.75,51.55) 119.58,51.38 103.8,51.38 103.5,51.68 103.5,52.55 103.3,52.75 101.2,52.75 100.08,51.62 97.62,51.62 v1(97.3,51.95) T22.1 ; U1.39 v1(95.25,49.35) 95.67,49.77 97.03,49.77 C44.1 v1(97.5,49.3) 98.35,49.3 FB1.1 ; C79.1 74.8,33.7 74.13,33.02 73.7,33.02 73.53,33.2 48.05,33.2 46.88,32.02 44.99,32.02 43.96,31 40.25,31 37.5,28.25 35.15,28.25 32.5,25.6 R87.2 ; U8.15 123.5,34.5 ; C61.1 U1.84 v1(77.6,41.25) ; 75,33.7 75,34.2 75.5,34.7 v1(75.5,35.75) ; v1(83.75,47.9) U1.62 C53.1 ; C81.1 U1.121 v1(84.75,28.1) ; 96.25,26.95 96.7,26.95 C83.1 ; v1(89.75,28.1) U1.131 89.75,26.45 C82.1 ; C46.1 U1.52 v1(88.75,47.9) ; v1(96.9,43.75) U1.30 98.66,43.75 99.41,43 101.5,43 C84.1 ; C59.1 78.62,48.75 U1.72 v1(78.75,47.9) ; v1(123.5,47) U7.15 ; v1(22.8,50.6) 23.05,50.35 C56.2 ; v1(75.5,35.75) 75.5,37.65 70.6,42.55 70.6,46.78 70.13,47.25 62.8,47.25 v1(62,48.05) 61.8,48.25 37.77,48.25 v1(37.6,48.08) 37.42,48.25 19.45,48.25 18.73,48.98 v1(18.73,49.25) ; v1(75.5,35.75) U1.95 ; v1(95.75,28.1) U1.143 U1.144 ; 123.5,22 U9.15 ; R108.2 v1(75.15,30.35) C102.1 76.25,29.25 U1.108 ; U1.17 C15.1 ; T6.1 v1(64.75,52)
  Top w0.5: 57.9,20.25 v1(57.9,20.75) v1(58.9,20.75) 59.4,20.25 ; v1(51,18.5) 51.5,18.5
  Top w1: U5.2 U5.2
  In2.Cu w0.15: v1(48.2,17.2) 49.05,18.05 50.55,18.05 v1(51,18.5) ; v1(123.65,56) 122.55,56 v1(121.95,56.6) v1(121.05,56.6) ; v1(117.5,66.5) v1(116,66.5) ; v1(123.5,47) 124.25,47.75 124.25,51.5 123.75,52 120.2,52 v1(119.75,51.55) ; v1(119.1,27.05) 119.1,25.5 118.8,25.2
  In2.Cu w0.2: v1(37.6,48.08) 37.6,48.85 v1(39,50.25) ; v1(62,48.05) 62,49.25 v1(64.75,52) ; v1(41.3,50.3) 41.73,50.73 43.52,50.73 v1(43.8,51) ; v1(97.5,49.3) 97.5,51.75 v1(97.3,51.95) ; v1(95.75,28.1) 95.75,27.83 98.38,25.2 118.8,25.2 v1(122.5,21.5) ; v1(20.5,50.25) 19.73,50.25 v1(18.73,49.25) ; v1(25.3,50.9) 23.1,50.9 v1(22.8,50.6)
  vias: v1(58.4,20.75) v1(98.85,37.25)
+5V: length 37.6
  Top w0.15: C105.1 49.85,22.62 46.62,22.62 46.38,22.88 46.38,24 46,24.38 41.38,24.38 R129.2 ; 50.5,30.5 49.25,30.5 R90.2
  Top w0.2: C92.2 88,13.33 88.92,14.25 92.5,14.25 J21.2 ; J22.2 92.5,20.25 88.92,20.25 88,19.33 C93.2
  Top w0.5: J29.1 120.25,10.46 120.25,11.52 C86.1 ; v1(61.25,21) v1(61.25,22)
  In1.Cu w0.5: v1(60.75,21.5) v1(61.25,22) v1(61.25,21) v1(60.75,21) v1(60.75,21.5)
  In2.Cu w0.5: J21.2 93.75,17.7
  Bottom w0.5: v1(60.75,21) v1(60.75,21.5) v1(61.25,22) v1(61.25,21) v1(60.75,21)
  vias: v1(61.25,21.5)
+12V: length 193.9
  Top w0.15: v1(89.25,54.05) T17.1 ; v1(85.5,53.6) 85.5,53.4 81.9,49.8 78.7,49.8 77.75,50.75 74.72,50.75 72.9,52.57 v1(72.9,52.9) ; 29.5,20.62 28.26,20.62 28.25,20.62 27.75,20.62 ; 29.5,20.62 R128.2 ; 29.5,20.62 30.12,20 31.25,20 ; v1(58,51.75) T1.1 57.25,53.5 58.17,54.42 65.12,54.42 66.85,52.7 70.8,52.7 v1(71,52.9) ; C60.2 U12.3 U12.4 ; U11.3 C45.2 ; U11.3 U11.4 U11.3
  Top w0.2: C45.2 31.73,55.48 31.73,54.04 32,53.76 32,52.11 32.99,51.12 34.38,51.12 34.7,50.8 v1(34.7,49.75) ; 51.15,47.35 51.15,34.65 50.3,33.8 47.8,33.8 46.62,32.62 44.74,32.62 43.71,31.6 40,31.6 37.45,29.05 v1(37.2,29.05) ; J16.2 92.5,2.25 88.92,2.25 88,1.33 C90.2 ; C60.2 14,56.25 13.22,55.48 13.22,54.04 13.5,53.76 13.5,52.11 14.49,51.12 15.88,51.12 16.4,50.6 16.4,49.61 16.56,49.45 16.98,49.45 19.08,47.35 34.6,47.35 35.05,46.9 35.7,46.9 v1(35.75,46.85) 35.8,46.9 37.95,46.9 38.4,47.35 59,47.35 v1(59.2,47.15) ; C91.2 88,7.33 88.92,8.25 92.5,8.25 J17.2
  Top w0.5: 67.5,16.75 67.5,16.25 67,15.75 J20.1 66,16.71 ; J19.1 68.28,25.58 76.33,25.58 76.4,25.5 76.71,25.5 J42.1
  Top w1.5: C108.1 36,20.5
  In2.Cu w0.15: v1(71,52.9) v1(72.9,52.9) ; v1(85.5,53.6) 88.8,53.6 v1(89.25,54.05)
  In2.Cu w0.2: v1(35.75,46.85) 35.7,46.9 35.05,46.9 34.7,47.25 v1(34.7,49.75) ; v1(37.2,29.05) 37.2,28.3 C108.1
  In2.Cu w0.25: v1(59.2,47.15) 59.2,50.55 v1(58,51.75)
  In2.Cu w1.5: C108.1 33.82,29.27 J43.1
  vias: v1(39.75,12.5) v1(40.25,12.5) v1(40.75,12.5) v1(41.25,12.5)
